# Altium PCB motordriver-v5.2.PcbDoc (part 6 of 7) (continued)
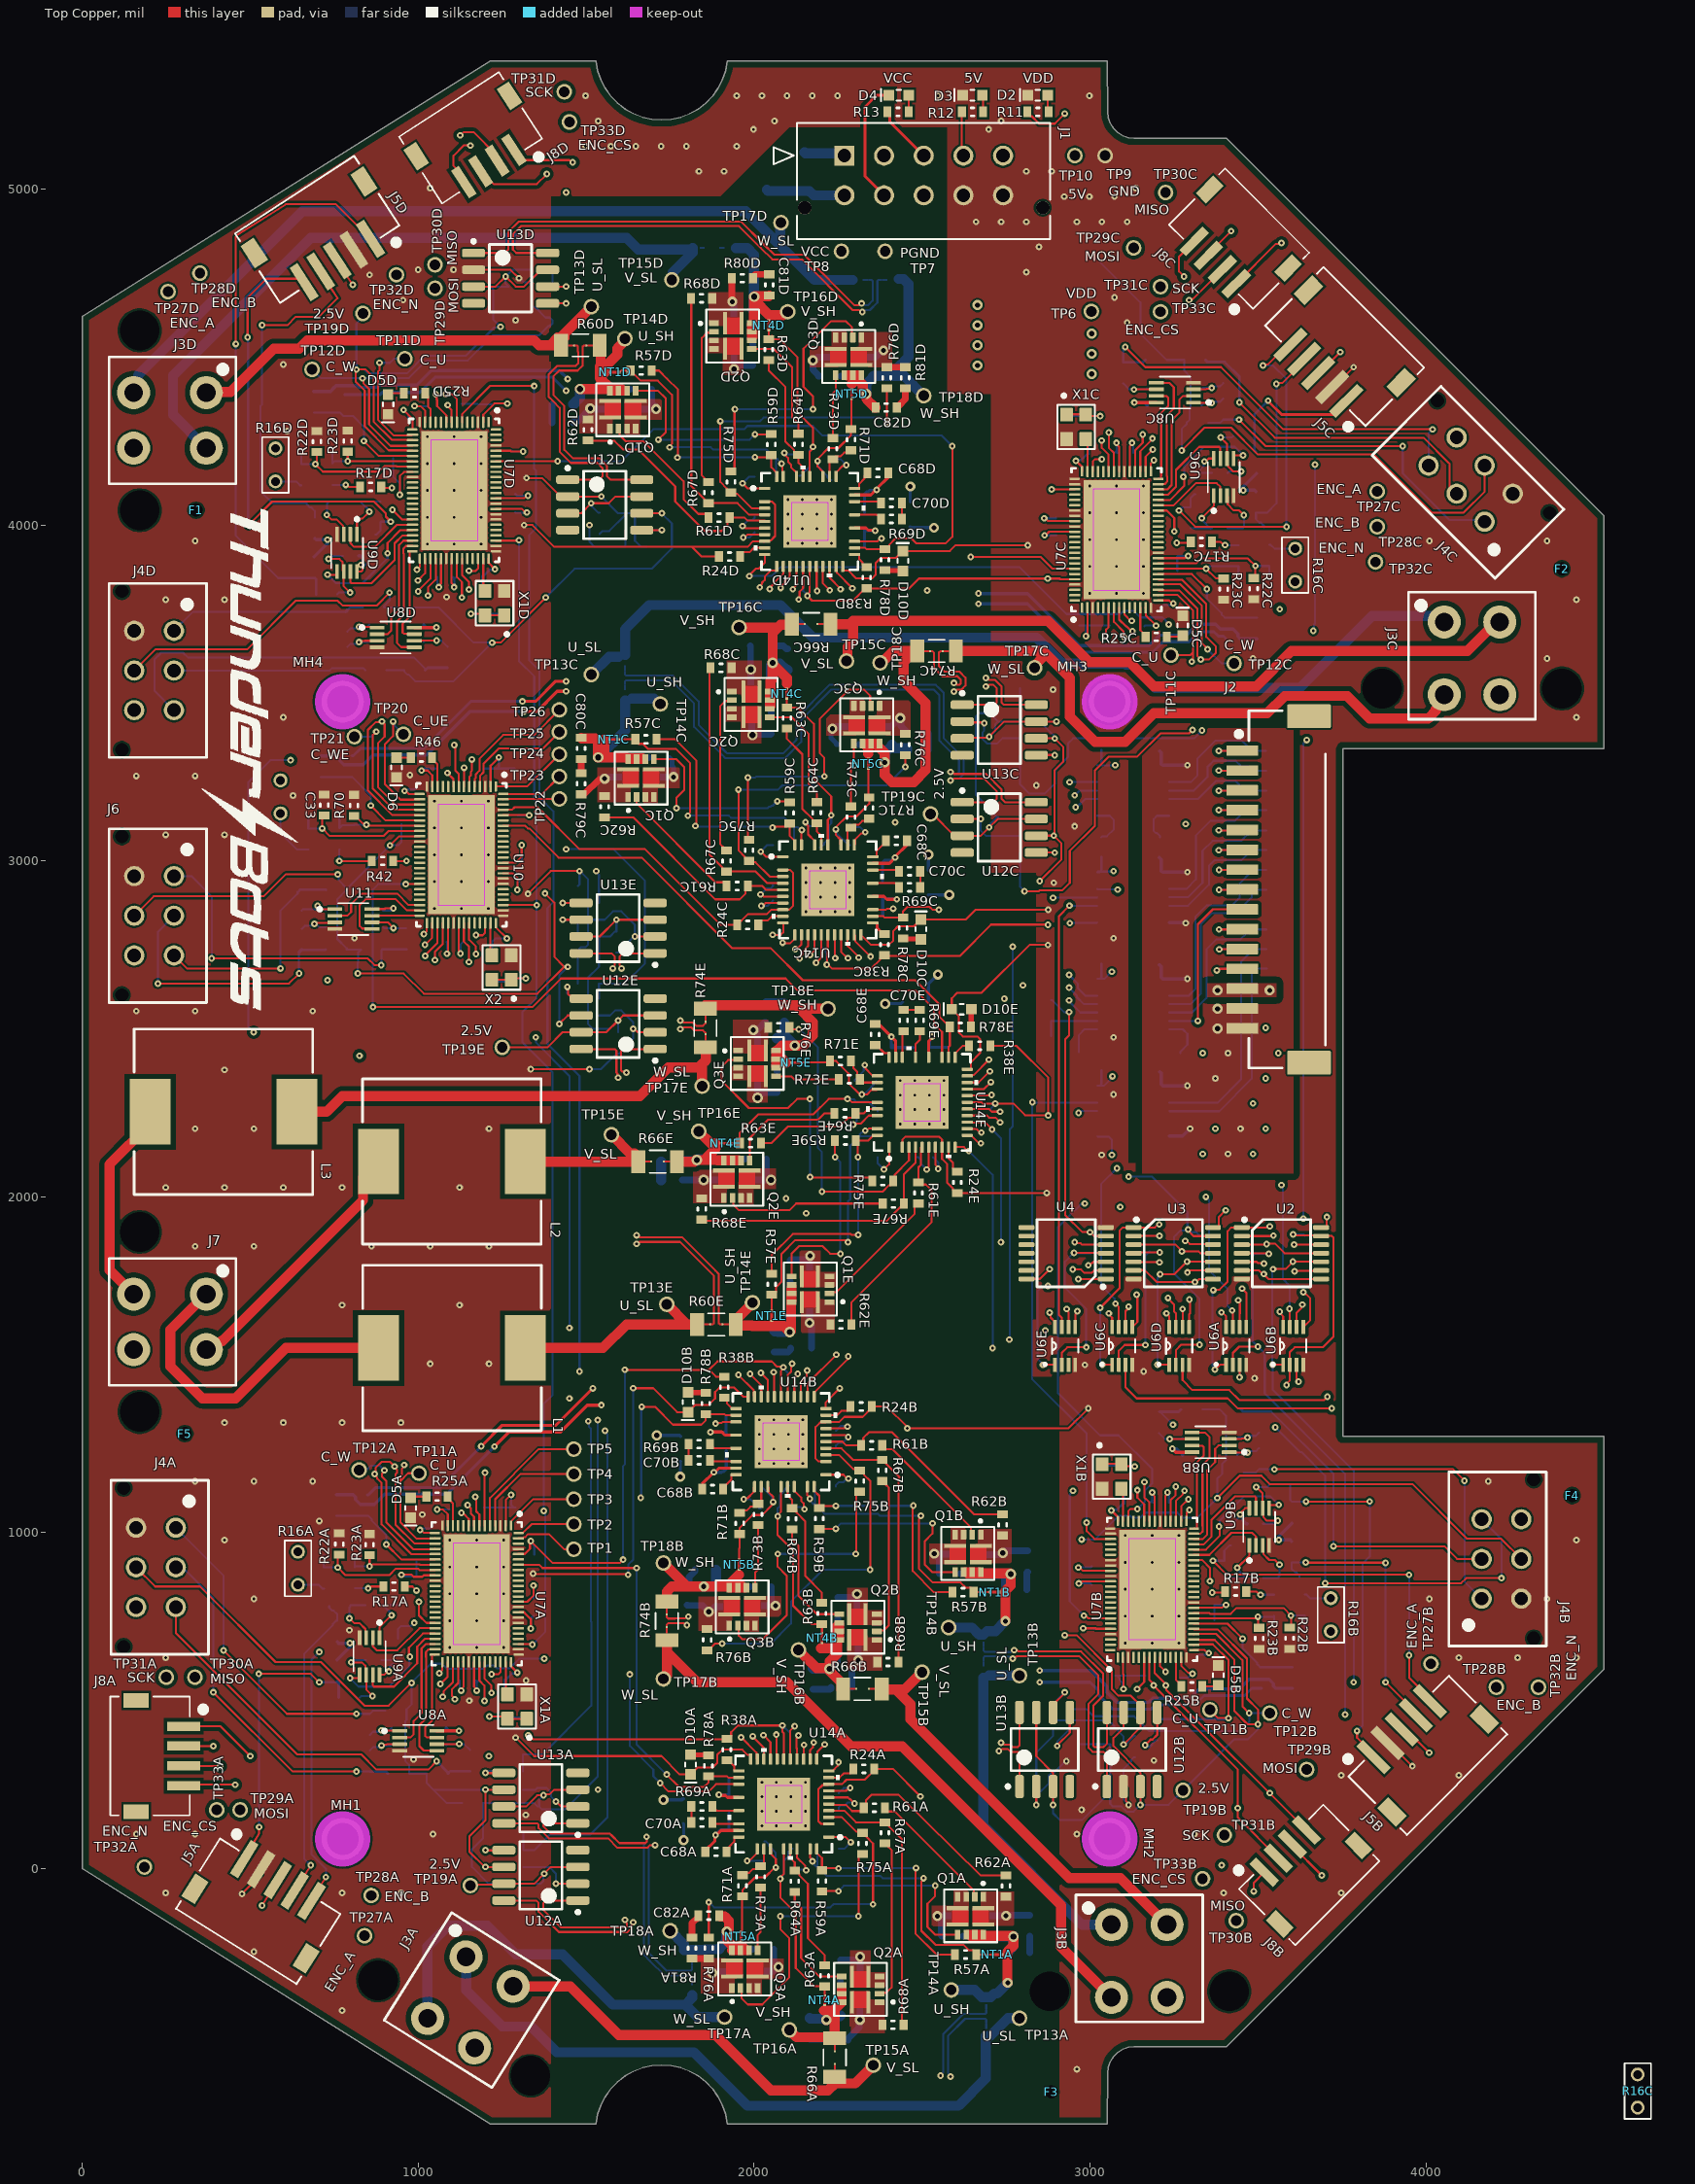
[diagram p0: Top Copper view]
## Nets (pads, with @x,y where several pads share a name; then routed paths per layer and width w, separated by ;. In a path a pad name is that pad's centre, name@x,y a point inside that pad or via, vN(x,y) a via of type N, cw(c..) or ccw(c..) an arc to the next point about the centre after c; other vN are vias at no path point) (continued)
  Top Copper w30: C80C.1@1485,3366.5 1486.81,3364.69 1527.09,3364.69 1535.51,3356.27 v4@1535.51,3308.79 ; 1553.51,3361.49 1553.51,3326.79 v4@1535.51,3308.79 ; Q1C.8@1619.42,3308.39 v4(1535.51,3308.39) v4@1535.51,3308.79 ; Q1C.8@1626.67,3305 1666.9,3305 Q1C.8@1668.24,3303.66
  Bottom Copper w30: C59C.1@1583.4,3307.01 1582.71,3307.7 1536.2,3307.7 v4(1535.51,3308.39) 1615.6,3388.48 R60C.2@1615.6,3477.96 ; R60C.2@1635.6,3482.96 1701.26,3482.96 1716.83,3467.39 TP14C.1@1720.51,3467.39
U_SWD: C59D.1 C80D.1 NT1D.1 Q1D.8 R60D.2 TP14D.1 | length 508.9
  Top Copper w28: Q1D.8@1565.38,4405 Q1D.8@1570.63,4399.75
  Top Copper w30: v4(1481.4,4405.07) 1481.47,4405 Q1D.8@1565.38,4405 ; R60D.2@1540,4535 1543.02,4531.98 1543.02,4474.44 1540,4471.43 1540,4438.57 ; 1555,4465.21 1555,4453.57 1540,4438.57 ; 1559.44,4474.44 1593.02,4508.02 1593.02,4525.85 1615,4547.83 TP14D.1@1615,4555 ; 1605,4405 1573.57,4405 1540,4438.57
  Bottom Copper w30: C80D.1@1461.5,4360 1463.94,4360 1467.44,4363.51 1467.44,4365.95 1481.12,4379.62 1481.12,4404.78 v4(1481.4,4405.07) 1482.09,4404.38 1528.6,4404.38 C59D.1@1529.29,4403.69
U_SWE: C59E.1 C80E.1 NT1E.1 Q1E.8 R60E.2 TP14E.1 | length 483.2
  Top Copper w28: Q1E.8@2110,1685.4 Q1E.8@2111.31,1686.71
  Top Copper w30: TP14E.1@1995,1685 1995,1683.23 1944.96,1633.19 R60E.2@1944.96,1620 1947.57,1620 1950.63,1616.94 1993.06,1616.94 1994.65,1615.35 2087.72,1615.35 2105.59,1597.48 v4(2105.99,1597.48) 2110,1601.49 2110,1685.4 2110,1725
  Bottom Copper w30: C80E.1@2060,1601.5 2061.81,1599.69 2069.37,1599.69 2071.58,1597.48 v4(2105.99,1597.48) 2106.68,1598.17 2106.68,1644.68 C59E.1@2107.37,1645.37
UA: J3A.1 R60A.1 TP13A.1 | length 2071.4
  Bottom Copper w30: J3A.1@1142.49,-262.48 1142.49,-362.49 1250,-470 1335.5,-470 1412.17,-546.67 1820.66,-546.67 1980,-706 2018.43,-706 2607.92,-706 2689.99,-623.93 2689.99,-498.41 R60A.1@2690.99,-497.41 2704.18,-497.41 2756.59,-445 TP13A.1@2790,-445
UB: J3B.1 R60B.1 TP13B.1 | length 1034.8
  Bottom Copper w30: R60B.1@2682.12,568.16 2682.12,127.88 2976.77,-166.77 J3B.1@3063.99,-166.77 ; R60B.1@2699.41,575 TP13B.1@2790,575
UC: J3C.1 R60C.1 TP13C.1 | length 2847.5
  Bottom Copper w30: TP13C.1@1515,3555 1567.96,3607.96 R60C.1@1595.6,3607.96 ; R60C.1@1615.6,3612.96 1615.6,3689.68 1687.92,3762 2078,3762 2175,3665 2840,3665 2917.97,3587.03 3105.29,3587.03 3107.32,3585 3125,3585 3195,3515 3625,3515 3839.6,3729.6 J3C.1@4062.64,3729.6
UD: J3D.1 R60D.1 TP13D.1 | length 1330.6
  Top Copper w30: J3D.1@368.99,4394.42 370.39,4395.82 440.82,4395.82 570,4525 645,4525 670,4550 1345,4550 1360,4535 1392.52,4535 ; R60D.1@1434.7,4557.85 1415.37,4557.85 1392.52,4535 ; TP13D.1@1515,4650 1425.04,4560.04 R60D.1@1425.04,4535 1392.52,4535
UE: L1.2 R60E.1 TP13E.1 | length 615.2
  Top Copper w30: L1.2@1319,1550.07 1550.07,1550.07 1620,1620 1800,1620 ; TP13E.1@1740,1680 1800,1620 ; R60E.1@1820.41,1620 1800,1620
UHA: U7A.39 U14A.14 | length 1461.4
  Top Copper w6: v1(1062.99,582.07) 1071.71,590.78 U7A.39@1071.71,614.81 ; U14A.14@2127.43,326.26 2127.43,357.48 2125.86,359.04 2125.86,387.1 2131.88,393.12 v1(2131.88,396.82)
  Signal Layer 1 w6: v1(1062.99,582.07) 1040,559.08 1040,490 1100,430 1100,400 1110,390 1150,390 1185.84,354.16 1795.63,354.16 1851.04,298.74 2068.74,298.74 2125,355 2125,386.46 2131.88,393.34 v1(2131.88,396.82)
UHB: U7B.39 U14B.14 | length 1516.6
  Top Copper w6: U14B.14@2119.55,1405 2119.55,1460.27 2129.89,1470.61 v1(2129.89,1473.02) ; U7B.39@3287.27,1035.14 3287.27,1059.17 v1(3295.99,1067.88)
  Signal Layer 1 w6: v1(2129.89,1473.02) 2130.55,1473.02 2156.57,1447 2176.08,1447 2215.92,1407.16 2667.84,1407.16 2735,1340 3120,1340 3317.34,1142.66 3317.34,1089.24 v1(3295.99,1067.88)
UHC: U7C.39 U14C.14 | length 2748.1
  Top Copper w6: v1(2166.79,2720.2) v1(2166.79,2720.2) 2180.07,2733.42 U14C.14@2180.07,2780.19 ; U7C.39@3181.27,4160.04 3181.27,4184.06 v1(3189.99,4192.78)
  Signal Layer 1 w6: v1(2166.79,2720.2) 2168.23,2720.2 2250.3,2802.27 2567.27,2802.27 2725,2960 2725,4256.76 2819.59,4351.35 2966.35,4351.35 3002.27,4387.27 3053.64,4387.27 3125.91,4315 3179.7,4315 3222.27,4272.43 3222.27,4225.06 v1(3189.99,4192.78)
UHD: U7D.39 U14D.14 | length 1491.7
  Top Copper w6: v1(995.99,3867.07) 1004.71,3875.78 U7D.39@1004.71,3899.81 ; v1(2115.14,3808.69) 2115.14,3810.78 2125.97,3821.61 U14D.14@2125.97,3876.88
  Signal Layer 1 w6: v1(995.99,3867.07) 963,3834.08 963,3792 1033.49,3721.51 1116.51,3721.51 1135.03,3703 1228,3703 1356.02,3831.02 1846.02,3831.02 1886.02,3871.02 2025.41,3871.02 2060.64,3835.79 2104.21,3835.79 2112.52,3827.48 2112.52,3811.31 v1(2115.14,3808.69)
UHE: U10.39 U14E.14 | length 2379.3
  Top Copper w6: v1(1016.8,2782.23) 1025.52,2790.94 U10.39@1025.52,2814.97 ; U14E.14@2634.18,2242.04 2693.31,2242.04 2699.69,2235.66 2718.44,2235.66 v1(2732.12,2221.98)
  Signal Layer 1 w6: v1(1016.8,2782.23) 988,2753.42 988,2680.03 1023.03,2645 1057.32,2645 1164.32,2538 1478,2538 1528,2588 1753,2588 1813,2648 1932.15,2648 1975.15,2605 2409.9,2605 2464.9,2550 2550.15,2550 2610,2490.15 2610,2323.58 2695.04,2238.54 2711.46,2238.54 2716.92,2233.08 2717.31,2233.08 2728.42,2221.98 v1(2732.12,2221.98)
ULA: U7A.40 U14A.15 | length 1454.4
  Top Copper w6: v1(1065.99,550.07) 1087.45,571.53 U7A.40@1087.45,615.44 ; U14A.15@2107.74,326.26 2107.74,411.4 v1(2120.69,424.35)
  Signal Layer 1 w6: v1(1065.99,550.07) 1052,536.08 1052,498 1115,435 1125,435 1193.84,366.16 1800.66,366.16 1856.03,310.79 2050.79,310.79 2105,365 2105,405.95 2120.69,421.65 v1(2120.69,424.35)
ULB: U7B.40 U14B.15 | length 1617.9
  Top Copper w6: U14B.15@2099.87,1405 2099.87,1469.9 2110.04,1480.07 2110.04,1500.31 v1(2112.82,1503.09) ; U7B.40@3271.53,1034.51 3271.53,1078.42 v1(3292.99,1099.88)
  Signal Layer 1 w6: v1(2112.82,1503.09) 2110.2,1500.47 2110.2,1485.2 2100,1475 2100,1446 2111,1435 2171.11,1435 2210.95,1395.16 2662.87,1395.16 2730.03,1328 3115.03,1328 3305.34,1137.69 3305.34,1109.21 3296.02,1099.88 v1(3292.99,1099.88)
ULC: U7C.40 U14C.15 | length 2753.8
  Top Copper w6: v1(2184.35,2697.17) 2199.76,2712.58 U14C.15@2199.76,2780.19 ; U7C.40@3165.53,4159.41 3165.53,4203.31 v1(3186.99,4224.78)
  Signal Layer 1 w6: v1(2184.35,2697.17) 2185.63,2698.45 2185.63,2720.63 2255,2790 2572.35,2790 2737.27,2954.92 2737.27,4251.68 2824.67,4339.08 2971.43,4339.08 3007.35,4375 3048.94,4375 3121.21,4302.73 3175,4302.73 3210,4267.73 3210,4247.79 v1(3186.99,4224.78)
ULD: U7D.40 U14D.15 | length 1572.2
  Top Copper w6: v1(998.99,3835.07) 1020.45,3856.53 U7D.40@1020.45,3900.44 ; v1(2132.7,3778.79) 2135.48,3781.57 2135.48,3801.81 2145.65,3811.98 U14D.15@2145.65,3876.88
  Signal Layer 1 w6: v1(998.99,3835.07) 990.07,3835.07 975,3820 975,3796.97 1038.46,3733.51 1121.49,3733.51 1140,3715 1223.03,3715 1351.05,3843.02 1841.05,3843.02 1881.05,3883.02 2030.41,3883.02 2065.65,3847.79 2124.67,3847.79 2133.98,3838.47 2133.98,3780.07 v1(2132.7,3778.79)
ULE: U10.40 U14E.15 | length 2354.3
  Top Copper w6: v1(1019.8,2750.23) 1041.27,2771.69 U10.40@1041.27,2815.6 ; U14E.15@2634.18,2261.73 2699.08,2261.73 2707.14,2253.66 v1(2732.4,2253.66)
  Signal Layer 1 w6: v1(1019.8,2750.23) 1015.23,2750.23 1000,2735 1000,2685 1028,2657 1062.29,2657 1169.29,2550 1473.03,2550 1523.03,2600 1748.03,2600 1808.03,2660 1937.12,2660 1980.12,2617 2416.03,2617 2471.01,2562.02 2555.1,2562.02 2622,2495.12 2622,2328.56 2700.01,2250.54 2708.5,2250.54 2711.62,2253.66 v1(2732.4,2253.66)
V_FBKA: C63A.2 NT4A.2 R63A.1 U14A.33 | length 633.3
  Top Copper w6: U14A.33@2088.06,58.54 2087.99,58.48 2087.99,-15.96 2077.99,-25.96 v1(2077.99,-29.93) 2077.99,-85.93 2123.99,-131.93 2123.99,-295.93 2178.61,-350.55 R63A.1@2209.73,-350.55 ; R63A.1@2200.42,-359.86 R63A.1@2209.73,-350.55 ; NT4A.2@2209.99,-376.93 2209.99,-350.81 R63A.1@2209.73,-350.55
  Bottom Copper w6: v1(2077.99,-29.93) 2077.99,-26.58 2087.98,-16.59 2087.98,22.98 2102.25,37.25 2102.25,51.19 2111.06,60 C63A.2@2115,60
V_FBKB: C63B.2 NT4B.2 R63B.1 U14B.33 | length 633.7
  Top Copper w6: U14B.33@2080.18,1137.28 2080.12,1137.22 2080.12,1062.78 2070.12,1052.78 v1(2070.12,1048.81) 2070.12,992.81 2116.12,946.81 2116.12,782.81 2170.74,728.19 R63B.1@2201.86,728.19 ; R63B.1@2192.55,718.88 R63B.1@2201.86,728.19 ; NT4B.2@2202.12,701.81 2202.12,727.93 R63B.1@2201.86,728.19
  Bottom Copper w6: v1(2070.12,1048.81) 2070.12,1073.14 2077.27,1080.29 2077.27,1112.27 2092.25,1127.25 2092.25,1131.19 2101.06,1140 C63B.2@2105,1140
V_FBKC: C63C.2 NT4C.2 R63C.1 U14C.33 | length 625.5
  Top Copper w6: NT4C.2@2097.5,3483.39 2097.51,3457.26 R63C.1@2097.77,3457.01 2128.89,3457.01 2177.79,3408.11 2177.79,3244.11 2229.51,3192.39 v1(2229.51,3136.39) 2229.51,3132.41 2219.51,3122.41 2219.51,3047.98 U14C.33@2219.44,3047.91
  Bottom Copper w6: C63C.2@2195,3040 2198.94,3040 2207.75,3048.81 2207.75,3052.75 2223.04,3068.04 2223.04,3105.4 2229.51,3111.86 v1(2229.51,3136.39)
V_FBKD: C63D.2 NT4D.2 R63D.1 U14D.33 | length 630.8
  Top Copper w6: NT4D.2@2043.4,4580.07 2043.4,4553.94 R63D.1@2043.66,4553.69 ; R63D.1@2052.97,4563 R63D.1@2043.66,4553.69 ; U14D.33@2165.34,4144.59 2165.4,4144.66 2165.4,4219.09 2175.4,4229.09 v1(2175.4,4233.07) 2175.4,4289.07 2129.4,4335.07 2129.4,4499.07 2074.78,4553.69 R63D.1@2043.66,4553.69
  Bottom Copper w6: C63D.2@2135,4147.01 2138.94,4147.01 2165,4173.07 2165,4222.67 v1(2175.4,4233.07)
V_FBKE: C63E.2 NT4E.2 R63E.1 U14E.33 | length 633.1
  Top Copper w6: NT4E.2@1930.99,2159.48 1957.11,2159.48 R63E.1@1957.37,2159.74 ; R63E.1@1948.06,2169.05 R63E.1@1957.37,2159.74 ; U14E.33@2366.47,2281.41 2366.4,2281.48 2291.96,2281.48 2281.96,2291.48 v1(2277.99,2291.48) 2221.99,2291.48 2175.99,2245.48 2011.99,2245.48 1957.37,2190.86 R63E.1@1957.37,2159.74
  Bottom Copper w6: v1(2277.99,2291.48) 2279.13,2290.34 2296.83,2290.34 2304.63,2282.54 2340.46,2282.54 2355.24,2267.75 2359.18,2267.75 2367.99,2258.94 C63E.2@2367.99,2255
V_L2: J7.2 L2.1 | length 785.2
  Top Copper w30: J7.2@368.99,1545.07 387.51,1545.07 413.09,1570.65 416.65,1570.65 835.46,1989.46 835.46,2059.04 L2.1@881.49,2105.07
V_SENSE_HA: R66A.S2
V_SENSE_HB: R66B.S2
V_SENSE_HC: R66C.S2
V_SENSE_HD: R66D.S2
V_SENSE_HE: R66E.S2
V_SENSE_LA: R66A.S1
V_SENSE_LB: R66B.S1
V_SENSE_LC: R66C.S1
V_SENSE_LD: R66D.S1
V_SENSE_LE: R66E.S1
V_SWA: C64A.1 C81A.1 NT4A.1 Q2A.8 R66A.2 TP16A.1 | length 442.8
  Top Copper w28: Q2A.8@2257.88,-397.99 Q2A.8@2260.72,-397.99 Q2A.8@2260.72,-372.4 Q2A.8@2260.72,-353.64
  Top Copper w30: TP16A.1@2105,-480 2127.04,-502.04 R66A.2@2230.6,-502.04 ; 2207.29,-422.29 2240,-422.29 2240,-418.71 2256.15,-402.56 2256.15,-399.72 Q2A.8@2257.88,-397.99 ; v3(2215,-450) 2240,-425 R66A.2@2240,-505
  Bottom Copper w30: C81A.1@2165,-445 2166.81,-446.81 2209.1,-446.81 2212.29,-450 v3(2215,-450) ; 2228.73,-438.98 2255.17,-438.98 C64A.1@2256.98,-437.17
V_SWB: C64B.1 C81B.1 NT4B.1 Q2B.8 R66B.2 TP16B.1 | length 498.5
  Top Copper w28: Q2B.8@2247.25,700.75 Q2B.8@2252.84,706.34
  Top Copper w30: TP16B.1@2133.15,650.81 2133.15,649.77 2185.72,597.2 2219.69,597.2 v4@2221.24,598.76 ; 2198.24,656.76 2229.72,656.76 2247.25,639.23 ; 2247.25,721.81 2247.25,700.75 2247.25,639.23 ; R66B.2@2259.33,532.96 2259.33,553.86 2225.29,587.9 2225.29,594.71 v4(2225,595) 2225.29,595.29 2225.29,617.26 2247.25,639.23
  Bottom Copper w30: TP16B.1@2132.12,650.81 TP16B.1@2133.15,650.81 ; C81B.1@2175,596.5 2175.75,595.75 2224.25,595.75 v4(2225,595) 2225,598.11 2243.35,616.47 2243.35,639.76 2245.17,641.57 C64B.1@2249.1,641.57
V_SWC: C64C.1 C81C.1 NT4C.1 Q2C.8 R66C.2 TP16C.1 | length 577.7
  Top Copper w28: Q2C.8@2048.39,3502.84 Q2C.8@2046.78,3504.45 Q2C.8@2048.5,3506.17
  Top Copper w30: TP16C.1@1955,3695 2070,3695 ; Q2C.8@2047.35,3460.94 2048.39,3461.98 Q2C.8@2048.39,3502.84 ; Q2C.8@2048.5,3506.17 2048.5,3535.03 2054.71,3541.24 2054.71,3589.71 v4(2055,3590) ; 2097.4,3528.51 2097.4,3544.49 2055,3586.89 v4(2055,3590) ; R66C.2@2103.14,3703.75 2078.75,3703.75 2070,3695 ; v4(2055,3590) 2055.29,3590.29 2055.29,3680.29 2070,3695
  Bottom Copper w30: C64C.1@2050.52,3543.62 2050.52,3582.41 2055,3586.89 v4(2055,3590) 2057.2,3587.8 2076.77,3587.8 2096.06,3568.5 C81C.1@2100,3568.5
V_SWD: C64D.1 C81D.1 NT4D.1 Q2D.8 R66D.2 TP16D.1 | length 530.1
  Top Copper w30: 1995,4560 1995,4590 2000,4595 v4(2000,4680) ; C81D.1@2045,4683.5 2043.25,4681.75 2001.75,4681.75 v4(2000,4680) ; TP16D.1@2100,4635 2095.54,4635 2085.6,4625.07 2044.93,4625.07 2000.29,4669.71 2000.29,4679.71 v4(2000,4680)
  Bottom Copper w30: R66D.2@1945.6,4825 1980,4825 2000,4805 v4(2000,4680) 1998.21,4678.21 1998.21,4642.09 C64D.1@1996.41,4640.3
V_SWE: C64E.1 C81E.1 NT4E.1 Q2E.8 R66E.2 TP16E.1 | length 391.6
  Top Copper w30: R66E.2@1780.6,2105 1821.89,2105 1826.89,2110 v4(1830,2110) ; v4@1830.29,2109.71 1851.51,2109.71 1890.29,2109.71 1890.66,2109.34 1909.93,2109.34 1935.51,2109.34 Q2E.8@1953.41,2109.34 ; TP16E.1@1835,2195 1870.52,2159.48 1885.99,2159.48 1885.99,2144.48 1851.51,2110
  Bottom Copper w30: C81E.1@1786.5,2105 1787.24,2105.75 1825.34,2105.75 1829.6,2110 v4(1830,2110) 1831.25,2111.25 1869.51,2111.25 C64E.1@1870.76,2112.49
VA: J3A.2 R66A.1 TP15A.1 | length 1250.6
  Top Copper w30: J3A.2@1282.65,-350.22 1452.22,-350.22 1597,-495 1885,-495 2050,-660 2220,-660 2240.6,-639.4 2300.6,-639.4 TP15A.1@2355,-585 ; R66A.1@2240,-638.79 R66A.1@2240,-619.96
VB: J3B.2 R66B.1 TP15B.1 | length 1268.2
  Top Copper w30: R66B.1@2390.6,532.96 2422.04,532.96 ; TP15B.1@2500,585 2447.96,532.96 2422.04,532.96 ; J3B.2@3239.04,-176.46 3090.58,-28 2938,-28 2465,445 2465,490 2422.04,532.96
VC: J3C.2 R66C.1 TP15C.1 | length 2287.4
  Top Copper w30: R66C.1@2240.6,3705 2285,3705 2295,3715 ; TP15C.1@2275,3595 2278.16,3598.16 2278.16,3637.51 2295,3654.35 2295,3715 ; J3C.2@4227.99,3729.6 4123.39,3625 3600,3625 3495,3520 3190,3520 3117.73,3592.27 2997.73,3592.27 2875,3715 2295,3715
VCC: C60A.1 C60B.1 C60C.1 C60D.1 C60E.1 C61A.1 C61B.1 C61C.1 C61D.1 C61E.1 C65A.2 C65B.2 C65C.2 C65D.2 C65E.2 C68A.2 C68B.2 C68C.2 C68D.2 C68E.2 C72A.1 C72B.1 C72C.1 C72D.1 C72E.1 C73A.1 C73B.1 C73C.1 C73D.1 C73E.1 C77A.2 C77B.2 C77C.2 C77D.2 C77E.2 C78A.2 C78B.2 C78C.2 C78D.2 C78E.2 C79A.2 C79B.2 C79C.2 C79D.2 C79E.2 D1.2 J1.1 J1.2 J1.3 Q1A.3 Q1A.4 Q1A.5 Q1B.3 Q1B.4 Q1B.5 Q1C.3 Q1C.4 Q1C.5 Q1D.3 Q1D.4 Q1D.5 Q1E.3 Q1E.4 Q1E.5 Q2A.3 Q2A.4 Q2A.5 Q2B.3 Q2B.4 Q2B.5 Q2C.3 Q2C.4 Q2C.5 Q2D.3 Q2D.4 Q2D.5 Q2E.3 Q2E.4 Q2E.5 Q3A.3 Q3A.4 Q3A.5 Q3B.3 Q3B.4 Q3B.5 Q3C.3 Q3C.4 Q3C.5 Q3D.3 Q3D.4 Q3D.5 Q3E.3 Q3E.4 Q3E.5 R13.2 R18A.1 R18B.1 R18C.1 R18D.1 R43.1 R58A.1 R58B.1 R58C.1 R58D.1 R58E.1 R65A.1 R65B.1 R65C.1 R65D.1 R65E.1 R72A.1 R72B.1 R72C.1 R72D.1 R72E.1 TP8.1 U14A.25 U14A.28 U14B.25 U14B.28 U14C.25 U14C.28 U14D.25 U14D.28 U14E.25 U14E.28 | length 8252.1
  Top Copper w9: v1(1187.5,1257.5) 1250,1320 1410,1320 v1(1520,1430) ; v1(1310,3475) 1348.95,3475 1408.95,3535 v1(1440,3535) ; C68B.2@1845,1130 1845,1145 v1(1880,1180) 1882.89,1180 1895.29,1192.4 U14B.28@1946.32,1192.4 ; C68A.2@1855,50 1855,53.94 1882.96,81.89 1882.96,97.96 v1(1885,100) 1887.89,100 1901.55,113.66 U14A.28@1954.2,113.66 ; v1(1869.73,1299.55) 1870.18,1300 1903.79,1300 1912.96,1290.83 U14B.25@1946.32,1290.83 ; v1(1894.96,220.03) 1897,217.99 1914.93,217.99 1920.83,212.09 U14A.25@1954.2,212.09 ; U14D.25@2299.19,3991.05 2332.56,3991.05 2338.59,3985.02 2358.47,3985.02 v1(2360.51,3982.98) ; U14D.28@2299.19,4089.47 2347.51,4089.47 2363.04,4105 v1(2365,4105) 2365,4107.89 2400,4142.89 C68D.2@2400,4155 ; U14C.25@2353.3,2894.37 2386.67,2894.37 2395.24,2885.8 v1(2424.69,2885.8) ; U14C.28@2353.3,2992.79 2402.79,2992.79 v1(2420,3010) 2420,3012.89 2455,3047.89 C68C.2@2455,3060 ; C68E.2@2360,2515 2370.37,2515 v1(2408.63,2476.74) 2421.58,2463.78 U14E.28@2421.58,2415.27 ; R13.2@2397.01,5230 2403.92,5223.09 2403.92,5200.75 J1.3@2504.95,5099.72 ; U14E.25@2520.01,2415.27 2520.01,2464.16 2527.62,2471.78 2527.62,2474.83 v1(2529.67,2476.87)
  Bottom Copper w9: R18D.1@780,4387.99 885.99,4387.99 893,4395 1005,4395 1050,4440 1400,4440 v1(1440,4400) ; R43.1@802.83,3313.22 806.77,3313.22 828.55,3335 1016.72,3335 1156.72,3475 v1(1310,3475) ; R18A.1@847.99,1113.06 851.93,1113.06 873.87,1135 1065,1135 v1(1187.5,1257.5) ; v3@1780,1180 1780,1211.89 C65B.2@1781.23,1213.12 ; C65A.2@1789.1,134.38 1790,133.48 v3(1790,85) ; v1(1869.73,1299.55) 1912.07,1299.55 1912.53,1300 C60B.1@1916.82,1295.71 ; v1@1880.03,1180.03 1903.34,1180.03 1905.88,1182.56 1909.81,1182.56 1917.12,1189.87 C72B.1@1917.12,1193.81 C72B.1@1917.12,1193.81 1917.07,1244.28 C61B.1@1917.02,1244.33 ; v1(1885,100) 1900.07,115.07 C72A.1@1925,115.07 1924.94,115.12 C61A.1@1924.89,165.59 C61A.1@1924.89,165.59 ; v1(1894.96,220.03) 1921.63,220.03 C60A.1@1924.69,216.97 ; C73B.1@1916.62,1346.81 1916.82,1346.61 C60B.1@1916.82,1295.71 ; C60B.1@1917.02,1295.51 C60B.1@1916.82,1295.71 ; C73A.1@1924.49,268.07 1924.69,267.87 C60A.1@1924.69,216.97 ; C60A.1@1924.89,216.77 C60A.1@1924.69,216.97 ; C72D.1@2328.39,4088.07 2328.39,4092.01 C72D.1@2328.5,4092.11 ; C60D.1@2328.5,3986.36 C60D.1@2328.7,3986.17 ; C61D.1@2328.5,4037.55 C72D.1@2328.5,4092.11 ; C73D.1@2328.9,3935.07 2328.7,3935.27 C60D.1@2328.7,3986.17 ; v1(2360.51,3982.98) 2331.89,3982.98 C60D.1@2328.7,3986.17 ; v1(2365,4105) 2362.96,4102.96 2343.28,4102.96 2339.64,4099.32 2335.7,4099.32 C72D.1@2328.5,4092.11 ; C72C.1@2382.5,2991.39 2382.5,2995.32 C72C.1@2382.61,2995.43 ; C60C.1@2382.61,2889.68 C60C.1@2382.81,2889.48 ; C61C.1@2382.61,2940.86 C72C.1@2382.61,2995.43 ; C73C.1@2383,2838.39 2382.81,2838.58 C60C.1@2382.81,2889.48 ; v3(2390,2575) 2436.94,2575 C65E.2@2442.3,2580.37 ; v1(2408.63,2476.74) 2408.63,2444.47 C72E.1@2422.99,2444.47 ; C72E.1@2411.74,2451.78 2418.94,2444.58 C61E.1@2473.51,2444.58 ; v1(2420,3010) 2417.11,3010 2409.74,3002.63 2389.81,3002.63 C72C.1@2382.61,2995.43 ; v1(2424.69,2885.8) 2421.8,2885.8 2419.21,2888.39 2383.91,2888.39 C60C.1@2382.81,2889.48 ; C65D.2@2464.29,4068.75 2465,4069.47 v3(2465,4115) ; C65C.2@2518.4,2972.07 2518.97,2972.64 v3(2518.97,3018.91) ; C60E.1@2522.49,2452.29 2522.49,2466.8 2529.67,2473.98 v1(2529.67,2476.87) ; C60E.1@2525.09,2444.98 C73E.1@2575.99,2444.98 ; v1(2667.84,3765.48) 2814.52,3765.48 2958.47,3621.53 3186.53,3621.53 3217.63,3652.63 3295.21,3652.63 3324.92,3682.34 3369.08,3682.34 3382.33,3669.1 3397.68,3669.1 R18C.1@3404.99,3661.78 ; v1(2850,555) 3000,555 3025,530 3025,517.42 3067.42,475 3182.64,475 3195.58,487.94 3312.94,487.94 3340,515 3460,515 3481.89,536.89 R18B.1@3510.99,536.89
  Bottom Copper w15: R58C.1@1748.75,3307.01 1756.06,3299.69 1756.06,3282.44 1760,3278.5 v3(1760,3250) ; v3(2233,3393.62) 2233,3389.56 2229.06,3385.62 2229.06,3366.06 2245.56,3349.56 2245.56,3347.12 2246.31,3346.37 R72C.1@2248.75,3346.38
  Bottom Copper w20: C77D.2@1641.5,4345 1641.64,4345.14 1707.74,4345.14 v3(1707.88,4345.28) 1707.88,4350.96 1694.64,4364.2 R58D.1@1694.64,4403.69 ; C77C.2@1696.5,3250 v3(1760,3250) ; C78D.2@1940,4533.5 1940.1,4533.41 1940.1,4464.58 v3(1940.2,4464.49) 1944.25,4464.49 1954.72,4474.95 R65D.1@1996.41,4474.95 ; C78E.2@1981.5,2050 v4(2050,2050) 2050,2053.11 2036.11,2067 R65E.1@2036.11,2112.49 ; C78C.2@1990,3433.5 1990.99,3433.5 1992.8,3431.69 1992.8,3377.2 v4(1995,3375) 1996.63,3376.63 2048.89,3376.63 R65C.1@2050.52,3378.27 ; C79B.2@1996.5,780 1996.5,781.16 1998.31,782.98 v3(2063.48,782.98) 2063.48,785.68 2050.87,798.29 R72B.1@2050.87,838.82 ; C79A.2@2001.5,-305 2060.15,-305 v3(2072.38,-292.77) 2072.38,-290.06 2058.75,-276.44 R72A.1@2058.75,-239.92 ; C79E.2@2010,2363.5 v4(2010,2295) 2011.3,2295 2027.03,2310.72 R72E.1@2068,2310.72 ; R58E.1@2107.37,1810.72 2109.18,1812.53 2151.96,1812.53 2163.77,1824.34 v3(2166.47,1824.34) 2165.74,1823.6 2165.74,1762.23 C77E.2@2165,1761.5 ; R72D.1@2194.64,4443.06 2192.2,4443.06 2191.45,4443.8 2191.45,4446.24 2174.96,4462.74 2174.96,4490.2 v3(2175.06,4490.3) 2177.77,4490.3 2187.47,4500 C79D.2@2248.5,4500 ; v3(2233,3393.62) 2235.71,3393.62 2242.09,3400 C79C.2@2303.5,3400 ; R65B.1@2249.1,806.93 2292.68,806.93 2303.44,817.69 v3(2306.15,817.69) 2306.15,753.31 2307.96,751.5 C78B.2@2310,751.5 ; R65A.1@2256.98,-271.81 2303.43,-271.81 2312.99,-262.25 v3(2315.7,-262.25) 2315.35,-262.6 2315.35,-329.65 C78A.2@2315,-330 ; R58B.1@2550.87,878.19 2550.87,921.17 2536.41,935.63 v3(2536.41,937.51) 2537.67,936.25 2602.25,936.25 C77B.2@2603.5,935 ; R58A.1@2558.75,-200.55 2556.94,-198.74 2556.94,-155.11 2545.72,-143.89 v3(2545.72,-141.19) 2546.31,-140.59 2612.91,-140.59 C77A.2@2613.5,-140
  Bottom Copper w30: D1.2@2150,5110 2153.34,5106.66 2261.79,5106.66 J1.1@2268.73,5099.72
  other v3: 1780,1166.5
VCCCORE1A: C17A.2 U7A.15 | length 92.6
  Top Copper w6: v1(1005.26,1008.21) 1008.69,1008.21 1017.6,999.3 U7A.15@1050.05,999.3
  Bottom Copper w6: v1(1005.26,1008.21) 1008.69,1008.21 1013.17,1012.68 1035.76,1012.68 C17A.2@1044.07,1020.99
VCCCORE1B: C17B.2 U7B.15 | length 92.6
  Top Copper w6: U7B.15@3308.93,650.66 3341.38,650.66 3350.29,641.75 v1(3353.72,641.75)
  Bottom Copper w6: C17B.2@3314.91,628.96 3323.22,637.27 3345.81,637.27 3350.29,641.75 v1(3353.72,641.75)
VCCCORE1C: C17C.2 U7C.15 | length 92.8
  Top Copper w6: U7C.15@3202.93,3775.55 3235.38,3775.55 3244.29,3766.64 v1(3247.84,3766.64)
  Bottom Copper w6: C17C.2@3208.91,3753.86 3217.22,3762.17 3239.81,3762.17 3244.29,3766.64 v1(3247.84,3766.64)
VCCCORE1D: C17D.2 U7D.15 | length 112.7
  Top Copper w6: v1(956.16,4342.69) 983.05,4315.8 U7D.15@983.05,4284.3
  Bottom Copper w6: v1(956.16,4342.69) 969.49,4329.36 969.49,4317.42 C17D.2@978.23,4308.68
VCCCORE1E: C41.2 U10.15 | length 92.6
  Top Copper w6: v1(959.07,3208.36) 962.51,3208.36 971.42,3199.45 U10.15@1003.86,3199.45
  Bottom Copper w6: v1(959.07,3208.36) 962.51,3208.36 966.98,3212.84 989.57,3212.84 C41.2@997.88,3221.15
VCCCORE2A: C18A.2 U7A.45 | length 138.8
  Top Copper w6: U7A.45@1166.11,615.35 U7A.45@1166.16,615.4 ; U7A.45@1166.19,615.44 1166.19,541.84 1173.99,534.04 v1(1173.99,530.07)
  Bottom Copper w6: C18A.2@1168.31,558.38 C18A.2@1172.76,558.38 ; C18A.2@1170.53,560.61 C18A.2@1172.76,558.38 ; C18A.2@1172.53,552.61 C18A.2@1173.99,554.07 ; v1(1173.99,530.07) C18A.2@1173.99,554.07 ; C18A.2@1172.76,558.38 1178.3,558.38 C18A.2@1173.99,554.07 ; C18A.2@1172.76,558.38 1173.99,557.15 C18A.2@1173.99,554.07
VCCCORE2B: C18B.2 U7B.45 | length 138.8
  Top Copper w6: v1(3184.99,1119.88) 3184.99,1115.91 3192.79,1108.11 U7B.45@3192.79,1034.51 ; U7B.45@3192.79,1034.51 U7B.45@3192.87,1034.6
  Bottom Copper w6: v1(3184.99,1119.88) C18B.2@3184.99,1095.88 ; C18B.2@3186.45,1097.34 C18B.2@3184.99,1095.88 ; C18B.2@3188.45,1089.34 C18B.2@3186.22,1091.57 ; C18B.2@3190.68,1091.57 C18B.2@3186.22,1091.57 ; C18B.2@3184.99,1095.88 3180.68,1091.57 C18B.2@3186.22,1091.57 ; C18B.2@3184.99,1095.88 3184.99,1092.8 C18B.2@3186.22,1091.57
VCCCORE2C: C18C.2 U7C.45 | length 138.8
  Top Copper w6: v1(3078.99,4244.78) 3078.99,4240.8 3086.79,4233.01 U7C.45@3086.79,4159.41 ; U7C.45@3086.82,4159.45 U7C.45@3086.87,4159.49
  Bottom Copper w6: v1(3078.99,4244.78) C18C.2@3078.99,4220.77 ; C18C.2@3080.45,4222.23 C18C.2@3078.99,4220.77 ; C18C.2@3082.45,4214.23 C18C.2@3080.22,4216.46 ; C18C.2@3084.68,4216.46 C18C.2@3080.22,4216.46 ; C18C.2@3078.99,4220.77 3074.68,4216.46 C18C.2@3080.22,4216.46 ; C18C.2@3078.99,4220.77 3078.99,4217.69 C18C.2@3080.22,4216.46
VCCCORE2D: C18D.2 U7D.45 | length 138.8
  Top Copper w6: U7D.45@1099.11,3900.35 U7D.45@1099.16,3900.4 ; U7D.45@1099.19,3900.44 1099.19,3826.84 1106.99,3819.04 v1(1106.99,3815.07)
  Bottom Copper w6: C18D.2@1101.31,3843.38 C18D.2@1105.76,3843.38 ; C18D.2@1103.53,3845.61 C18D.2@1105.76,3843.38 ; C18D.2@1105.53,3837.61 C18D.2@1106.99,3839.07 ; v1(1106.99,3815.07) C18D.2@1106.99,3839.07 ; C18D.2@1105.76,3843.38 1111.3,3843.38 C18D.2@1106.99,3839.07 ; C18D.2@1105.76,3843.38 1106.99,3842.15 C18D.2@1106.99,3839.07
VCCCORE2E: C42.2 U10.45 | length 131.1
  Top Copper w6: U10.45@1120.64,2815.6 1120.64,2733.26 1125.8,2728.09 v1(1125.8,2724.39)
  Bottom Copper w6: v1(1125.8,2724.39) 1125.8,2751.61 C42.2@1133.25,2759.06
VCCCORE3A: C19A.2 U7A.63 | length 121.5
  Top Copper w6: U7A.63@1298.08,794.57 1324.57,794.57 1343,813 v1(1343,843.15)
  Bottom Copper w6: v1(1343,843.15) 1343,804.73 C19A.2@1343.28,804.45
VCCCORE3B: C19B.2 U7B.63 | length 136.9
  Top Copper w6: v1(2966.63,849.11) 2970.33,849.11 2976.6,855.38 U7B.63@3060.9,855.38
  Bottom Copper w6: v1(2966.63,849.11) 3000.92,849.11 C19B.2@3005,845.03
VCCCORE3C: C19C.2 U7C.63 | length 129.8
  Top Copper w7: v1(2864.49,3969.69) 2867.93,3969.69 2878.51,3980.27 U7C.63@2954.9,3980.27
  Bottom Copper w7: v1(2864.49,3969.69) 2898.82,3969.69 C19C.2@2899.28,3969.23
VCCCORE3D: C19D.2 U7D.63 | length 139.5
  Top Copper w6: U7D.63@1231.08,4079.57 1315.09,4079.57 1322.98,4087.45 v1(1326.68,4087.45)
  Bottom Copper w6: C19D.2@1288.46,4093.32 1294.33,4087.45 v1(1326.68,4087.45)
VCCCORE3E: C43.2 U10.63 | length 140.6
  Top Copper w6: U10.63@1252.53,2994.73 1252.8,2995 1290,2995 1307.85,3012.85 v1(1307.85,3047.41)
  Bottom Copper w6: v1(1307.85,3047.41) 1307.85,3006.46 C43.2@1309.46,3004.84
VCPA: C68A.1 U14A.29 | length 65.9
  Top Copper w6: C68A.1@1917.99,50 1926.8,58.81 1926.8,66.58 1940.46,80.24 1940.46,92.05 1942.39,93.98 U14A.29@1954.2,93.98
VCPB: C68B.1 U14B.29 | length 65.5
  Top Copper w6: C68B.1@1907.99,1130 1916.8,1138.81 1916.8,1143.2 1932.59,1158.98 1932.59,1170.79 1934.51,1172.72 U14B.29@1946.32,1172.72
VCPC: C68C.1 U14C.29 | length 69
  Top Copper w6: U14C.29@2353.3,3012.48 2362.65,3012.48 2364.57,3014.4 2364.57,3028.63 2392.01,3056.06 C68C.1@2392.01,3060
VCPD: C68D.1 U14D.29 | length 68.4
  Top Copper w6: U14D.29@2299.19,4109.16 2311.01,4109.16 2312.93,4111.08 2312.93,4122.89 2328.2,4138.16 2328.2,4146.19 C68D.1@2337.01,4155
VCPE: C68E.1 U14E.29 | length 63.4
  Top Copper w6: C68E.1@2360,2452.01 2363.94,2452.01 2387.98,2427.97 2399.98,2427.97 2401.9,2426.05 U14E.29@2401.9,2415.27
VD: J3D.2 R66D.1 TP15D.1 | length 2097.8
  Bottom Copper w30: J3D.2@368.99,4229.07 270,4328.06 270,4445 680,4855 1620,4855 1655,4820 R66D.1@1805.6,4820 ; TP15D.1@1755,4730 1758.16,4733.16 1758.16,4752.45 1817.52,4811.81 R66D.1@1817.52,4825